# EAGLE board Mk4 Final a Panel score (EAGLE 9.0.1), part 23 of 24
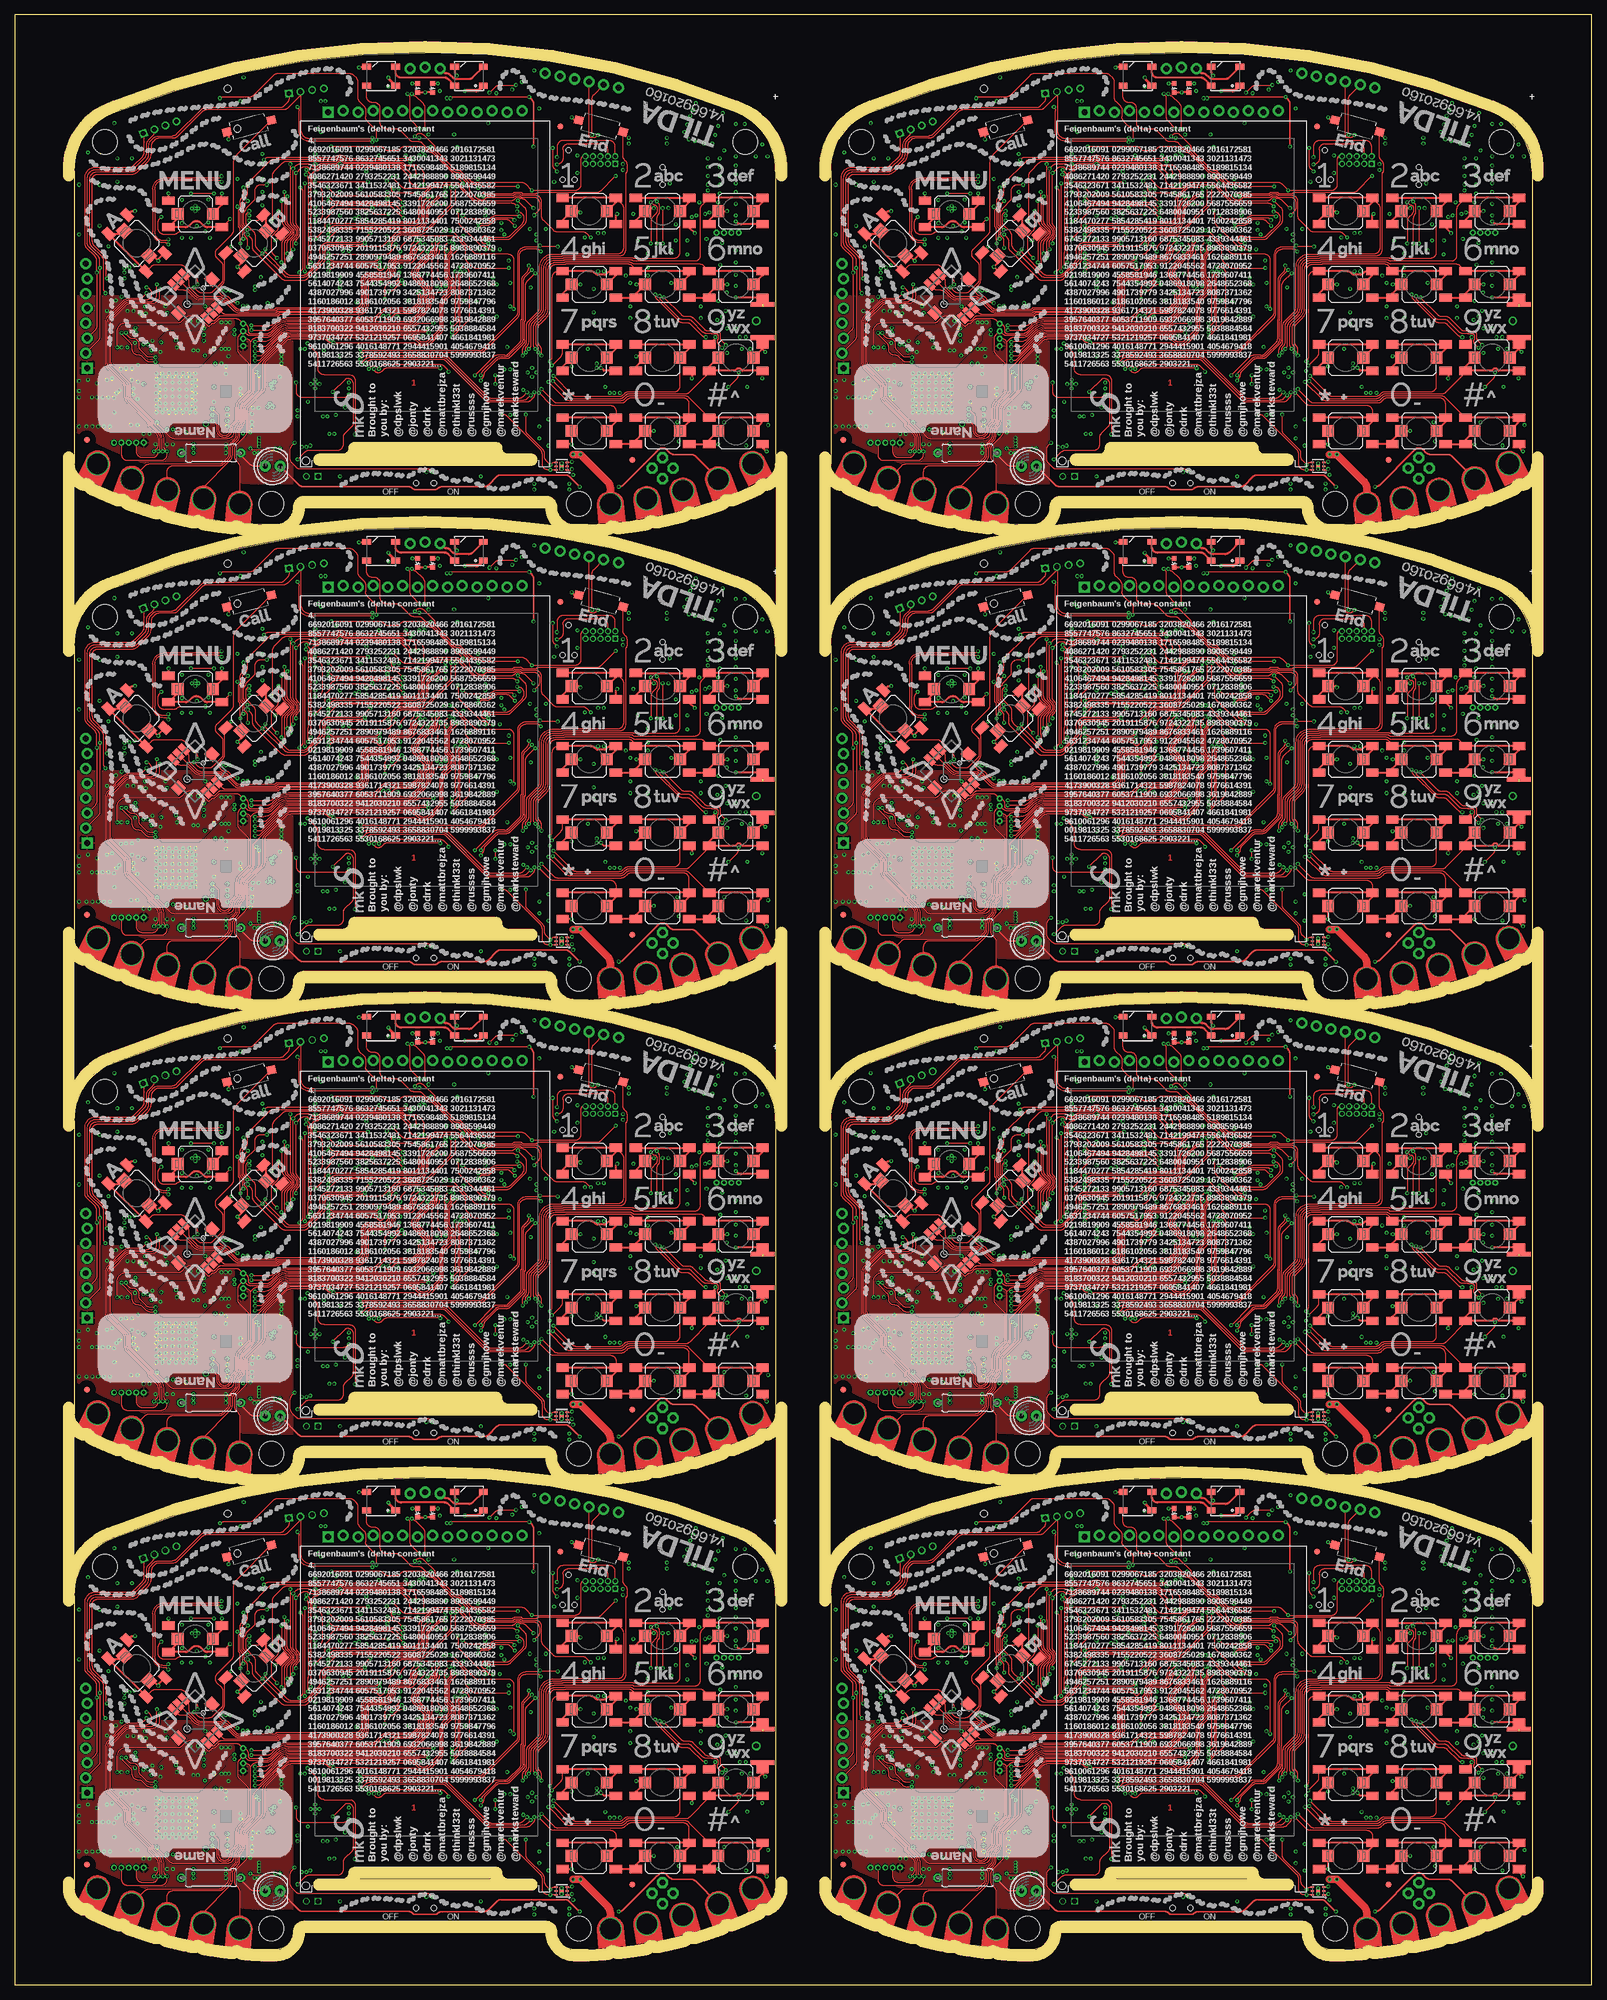
[diagram p0: board, top side]
## Tracks (layer width: path | path; a pad name or v marks a point on that pad's centre or on a via) (continued)
VBATT6  (via drill 0.3) (continued)
  pour 3V3@2 (no thermals): 102,274.5 104.5,274.5 105.5,273.5 105.5,272 105,271.5 95.5,271.5 93.5,269.5 52,269.5 50.8,268.4 50.8,262.6 50.3,262 49,262 48.75,262.25 48.75,269.5 50.25,271 92,271 94.5,273.5 101,273.5
  pour Bottom (no thermals): 42.2,262.9 42.2,262.8 42.75,262.8 43.1,262.45 43.1,262.05 arc90 43.6,261.55 44.8,261.55 44.8,262.5 44.15,262.5 43.8,262.85 43,262.85 42.95,262.9
VBATT7  (via drill 0.3)
  Top 0.15: v169.2,262 arc45 169.68,261.8 173.3,261.8 v173.5,262
  Top 0.5: LED44.1 208.34,323.29 arc-45 207.64,323 v205.75,323 | LED43.1 192.75,325.1 v192.75,325.25
  3V3@2 0.5: 198.25,325.25 203.5,325.25 v205.75,323
  3V3@2 1: JP65.2 199,326 198.25,325.25 v192.75,325.25 174.5,325.25 171.5,322.25 171.5,315 170,313.5 v170,289.65 v170,289.05 | v174.25,262 v173.5,262 173.5,267.41 174.2,268.11 174.2,269.55 171.62,272.12 171.62,273.62 172.5,274.5 v172.5,286.3 172.5,286.5 v172.15,286.85
  Bottom 0.25: IC141.1 169.96,262.35 arc45 169.26,262.06 v169.2,262
  Bottom 0.4: TP148.TP v179.4,262.5
  Bottom 0.5: C759.1 193.62,325.25 v192.75,325.25
  Bottom 1: v170,289.65 v170,289.05 170,289 v172.15,286.85 172.5,286.5 v172.5,286.3
  other vias: 178.75,262.25 178,262.25 232.25,271.5 229.75,272.5 231.25,271.5 230.5,271.5
  pour Bottom (no thermals): 178.35,263.4 179.8,263.4 179.8,262.05 arc-90 179.3,261.55 173.65,261.55 173.65,262.5 177.85,262.5 arc90 178.35,263
  pour Bottom (no thermals): 232.09,271.25 230.25,271.25 arc-90 229.25,272.25 229.25,273 arc-90 230.25,274 240,274 arc90 241,275 241,278.25 arc-90 242,279.25 242.25,279.25 242.5,279.5 242.5,282 244,282 244,279.8 arc-90 243,278.8 242.75,278.8 arc90 241.75,277.8 241.75,273 arc-90 240.75,272 233.66,272 arc45 232.96,271.71 232.79,271.54 arc-45
  pour 3V3@2 (no thermals): 231,274.5 233.5,274.5 234.5,273.5 234.5,272 234,271.5 224.5,271.5 222.5,269.5 181,269.5 179.8,268.4 179.8,262.6 179.3,262 178,262 177.75,262.25 177.75,269.5 179.25,271 221,271 223.5,273.5 230,273.5
  pour Bottom (no thermals): 171.2,262.9 171.2,262.8 171.75,262.8 172.1,262.45 172.1,262.05 arc90 172.6,261.55 173.8,261.55 173.8,262.5 173.15,262.5 172.8,262.85 172,262.85 171.95,262.9
VBUS  (via drill 0.3)
  Top 0.2: v87.75,78.95 74.55,78.95 v74.35,78.75
  Top 0.22: v88.5,70.5 88.5,77.79 arc45 88.21,78.49 v87.75,78.95
  3V3@2 0.2: v55.5,34.75 50.75,34.75 v49.5,36
  3V3@2 0.75: 49,36 49,37.5 52.25,40.75 v52.25,73 v51.75,73.5 | v49.5,36 49,36 | 49,36 v48.75,36 | v52.25,78.25 73.25,78.25 v73.75,78.75 v74.35,78.75
  Bottom 0.15: v87.75,78.95 87.7,79 IC7.5
  Bottom 0.2: LED6.A v55.5,34.75
  Bottom 0.22: IC1.96 76.2,67.5 arc-90 77.2,68.5 87.5,68.5 arc90 88.5,69.5 v88.5,70.5
  Bottom 0.5: TP7.TP v73.75,78.75
  Bottom 0.75: L2.2 v73.75,78.75 | v52.25,73 51.79,73.46 arc-45 51.5,74.16 51.5,77.09 arc-45 51.79,77.79 v52.25,78.25 v53,78.25
  pour Bottom (no thermals): 50.05,31.7 50.05,35.95 49.65,36.35 48.65,36.35 48.25,35.95 48.25,31.8 48.85,31.2 49.6,31.2 49.6,31.7
VBUS1  (via drill 0.3)
  Top 0.2: v216.75,78.95 203.55,78.95 v203.35,78.75
  Top 0.22: v217.5,70.5 217.5,77.79 arc45 217.21,78.49 v216.75,78.95
  3V3@2 0.2: v184.5,34.75 179.75,34.75 v178.5,36
  3V3@2 0.75: 178,36 178,37.5 181.25,40.75 v181.25,73 v180.75,73.5 | v178.5,36 178,36 | 178,36 v177.75,36 | v181.25,78.25 202.25,78.25 v202.75,78.75 v203.35,78.75
  Bottom 0.15: v216.75,78.95 216.7,79 IC23.5
  Bottom 0.2: LED12.A v184.5,34.75
  Bottom 0.22: IC20.96 205.2,67.5 arc-90 206.2,68.5 216.5,68.5 arc90 217.5,69.5 v217.5,70.5
  Bottom 0.5: TP26.TP v202.75,78.75
  Bottom 0.75: L10.2 v202.75,78.75 | v181.25,73 180.79,73.46 arc-45 180.5,74.16 180.5,77.09 arc-45 180.79,77.79 v181.25,78.25 v182,78.25
  pour Bottom (no thermals): 179.05,31.7 179.05,35.95 178.65,36.35 177.65,36.35 177.25,35.95 177.25,31.8 177.85,31.2 178.6,31.2 178.6,31.7
VBUS2  (via drill 0.3)
  Top 0.2: v87.75,159.95 74.55,159.95 v74.35,159.75
  Top 0.22: v88.5,151.5 88.5,158.79 arc45 88.21,159.49 v87.75,159.95
  3V3@2 0.2: v55.5,115.75 50.75,115.75 v49.5,117
  3V3@2 0.75: 49,117 49,118.5 52.25,121.75 v52.25,154 v51.75,154.5 | v49.5,117 49,117 | 49,117 v48.75,117 | v52.25,159.25 73.25,159.25 v73.75,159.75 v74.35,159.75
  Bottom 0.15: v87.75,159.95 87.7,160 IC41.5
  Bottom 0.2: LED18.A v55.5,115.75
  Bottom 0.22: IC38.96 76.2,148.5 arc-90 77.2,149.5 87.5,149.5 arc90 88.5,150.5 v88.5,151.5
  Bottom 0.5: TP45.TP v73.75,159.75
  Bottom 0.75: L19.2 v73.75,159.75 | v52.25,154 51.79,154.46 arc-45 51.5,155.16 51.5,158.09 arc-45 51.79,158.79 v52.25,159.25 v53,159.25
  pour Bottom (no thermals): 50.05,112.7 50.05,116.95 49.65,117.35 48.65,117.35 48.25,116.95 48.25,112.8 48.85,112.2 49.6,112.2 49.6,112.7
VBUS3  (via drill 0.3)
  Top 0.2: v216.75,159.95 203.55,159.95 v203.35,159.75
  Top 0.22: v217.5,151.5 217.5,158.79 arc45 217.21,159.49 v216.75,159.95
  3V3@2 0.2: v184.5,115.75 179.75,115.75 v178.5,117
  3V3@2 0.75: 178,117 178,118.5 181.25,121.75 v181.25,154 v180.75,154.5 | v178.5,117 178,117 | 178,117 v177.75,117 | v181.25,159.25 202.25,159.25 v202.75,159.75 v203.35,159.75
  Bottom 0.15: v216.75,159.95 216.7,160 IC59.5
  Bottom 0.2: LED24.A v184.5,115.75
  Bottom 0.22: IC56.96 205.2,148.5 arc-90 206.2,149.5 216.5,149.5 arc90 217.5,150.5 v217.5,151.5
  Bottom 0.5: TP64.TP v202.75,159.75
  Bottom 0.75: L28.2 v202.75,159.75 | v181.25,154 180.79,154.46 arc-45 180.5,155.16 180.5,158.09 arc-45 180.79,158.79 v181.25,159.25 v182,159.25
  pour Bottom (no thermals): 179.05,112.7 179.05,116.95 178.65,117.35 177.65,117.35 177.25,116.95 177.25,112.8 177.85,112.2 178.6,112.2 178.6,112.7
VBUS4  (via drill 0.3)
  Top 0.2: v87.75,240.95 74.55,240.95 v74.35,240.75
  Top 0.22: v88.5,232.5 88.5,239.79 arc45 88.21,240.49 v87.75,240.95
  3V3@2 0.2: v55.5,196.75 50.75,196.75 v49.5,198
  3V3@2 0.75: 49,198 49,199.5 52.25,202.75 v52.25,235 v51.75,235.5 | v49.5,198 49,198 | 49,198 v48.75,198 | v52.25,240.25 73.25,240.25 v73.75,240.75 v74.35,240.75
  Bottom 0.15: v87.75,240.95 87.7,241 IC77.5
  Bottom 0.2: LED30.A v55.5,196.75
  Bottom 0.22: IC74.96 76.2,229.5 arc-90 77.2,230.5 87.5,230.5 arc90 88.5,231.5 v88.5,232.5
  Bottom 0.5: TP83.TP v73.75,240.75
  Bottom 0.75: L37.2 v73.75,240.75 | v52.25,235 51.79,235.46 arc-45 51.5,236.16 51.5,239.09 arc-45 51.79,239.79 v52.25,240.25 v53,240.25
  pour Bottom (no thermals): 50.05,193.7 50.05,197.95 49.65,198.35 48.65,198.35 48.25,197.95 48.25,193.8 48.85,193.2 49.6,193.2 49.6,193.7
VBUS5  (via drill 0.3)
  Top 0.2: v216.75,240.95 203.55,240.95 v203.35,240.75
  Top 0.22: v217.5,232.5 217.5,239.79 arc45 217.21,240.49 v216.75,240.95
  3V3@2 0.2: v184.5,196.75 179.75,196.75 v178.5,198
  3V3@2 0.75: 178,198 178,199.5 181.25,202.75 v181.25,235 v180.75,235.5 | v178.5,198 178,198 | 178,198 v177.75,198 | v181.25,240.25 202.25,240.25 v202.75,240.75 v203.35,240.75
  Bottom 0.15: v216.75,240.95 216.7,241 IC95.5
  Bottom 0.2: LED36.A v184.5,196.75
  Bottom 0.22: IC92.96 205.2,229.5 arc-90 206.2,230.5 216.5,230.5 arc90 217.5,231.5 v217.5,232.5
  Bottom 0.5: TP102.TP v202.75,240.75
  Bottom 0.75: L46.2 v202.75,240.75 | v181.25,235 180.79,235.46 arc-45 180.5,236.16 180.5,239.09 arc-45 180.79,239.79 v181.25,240.25 v182,240.25
  pour Bottom (no thermals): 179.05,193.7 179.05,197.95 178.65,198.35 177.65,198.35 177.25,197.95 177.25,193.8 177.85,193.2 178.6,193.2 178.6,193.7
VBUS6  (via drill 0.3)
  Top 0.2: v87.75,321.95 74.55,321.95 v74.35,321.75
  Top 0.22: v88.5,313.5 88.5,320.79 arc45 88.21,321.49 v87.75,321.95
  3V3@2 0.2: v55.5,277.75 50.75,277.75 v49.5,279
  3V3@2 0.75: 49,279 49,280.5 52.25,283.75 v52.25,316 v51.75,316.5 | v49.5,279 49,279 | 49,279 v48.75,279 | v52.25,321.25 73.25,321.25 v73.75,321.75 v74.35,321.75
  Bottom 0.15: v87.75,321.95 87.7,322 IC113.5
  Bottom 0.2: LED42.A v55.5,277.75
  Bottom 0.22: IC110.96 76.2,310.5 arc-90 77.2,311.5 87.5,311.5 arc90 88.5,312.5 v88.5,313.5
  Bottom 0.5: TP121.TP v73.75,321.75
  Bottom 0.75: L55.2 v73.75,321.75 | v52.25,316 51.79,316.46 arc-45 51.5,317.16 51.5,320.09 arc-45 51.79,320.79 v52.25,321.25 v53,321.25
  pour Bottom (no thermals): 50.05,274.7 50.05,278.95 49.65,279.35 48.65,279.35 48.25,278.95 48.25,274.8 48.85,274.2 49.6,274.2 49.6,274.7
VBUS7  (via drill 0.3)
  Top 0.2: v216.75,321.95 203.55,321.95 v203.35,321.75
  Top 0.22: v217.5,313.5 217.5,320.79 arc45 217.21,321.49 v216.75,321.95
  3V3@2 0.2: v184.5,277.75 179.75,277.75 v178.5,279
  3V3@2 0.75: 178,279 178,280.5 181.25,283.75 v181.25,316 v180.75,316.5 | v178.5,279 178,279 | 178,279 v177.75,279 | v181.25,321.25 202.25,321.25 v202.75,321.75 v203.35,321.75
  Bottom 0.15: v216.75,321.95 216.7,322 IC131.5
  Bottom 0.2: LED48.A v184.5,277.75
  Bottom 0.22: IC128.96 205.2,310.5 arc-90 206.2,311.5 216.5,311.5 arc90 217.5,312.5 v217.5,313.5
  Bottom 0.5: TP140.TP v202.75,321.75
  Bottom 0.75: L64.2 v202.75,321.75 | v181.25,316 180.79,316.46 arc-45 180.5,317.16 180.5,320.09 arc-45 180.79,320.79 v181.25,321.25 v182,321.25
  pour Bottom (no thermals): 179.05,274.7 179.05,278.95 178.65,279.35 177.65,279.35 177.25,278.95 177.25,274.8 177.85,274.2 178.6,274.2 178.6,274.7
VBUS_L
  Bottom 0.4: U1.VBUS arc-47 L2.1
VBUS_L1
  Bottom 0.4: U2.VBUS arc-47 L10.1
VBUS_L2
  Bottom 0.4: U7.VBUS arc-47 L19.1
VBUS_L3
  Bottom 0.4: U10.VBUS arc-47 L28.1
VBUS_L4
  Bottom 0.4: U13.VBUS arc-47 L37.1
VBUS_L5
  Bottom 0.4: U16.VBUS arc-47 L46.1
VBUS_L6
  Bottom 0.4: U19.VBUS arc-47 L55.1
VBUS_L7
  Bottom 0.4: U22.VBUS arc-47 L64.1
VDD_ANA  (via drill 0.3)
  Bottom 0.2: IC15.48 32.55,32.95
  Bottom 0.25: C44.1 24.1,35.4 24.96,34.54 arc-45 25.25,33.84 IC15.36 | IC15.25 22.91,28.75 arc-45 22.21,29.04 C62.1 v22,30
  Bottom 0.4: 32.55,32.95 arc45 33.03,32.75 C61.1 v34.25,33.5 | C44.1 v23.35,35.75
  Bottom 0.5: C63.1 21.45,39.6 v20.6,39.6 | C63.1 21.5,38.85 v20.6,38.85 | C63.1 L7.1
  pour 3V3@2 (rank 2, no thermals): 34.75,33.75 34.75,33 34.25,32.5 32.5,32.5 31.75,33.5 24.5,33.5 22.5,31.5 22.5,30 22,29.5 21.75,29.5 21.5,29.75 21.5,30.5 21.75,30.75 21.75,33.5 21.25,34 20.5,34 20,34.5 20,38.3 19.7,38.6 19.7,39.5 20.2,40 20.8,40 21.25,39.55 21.25,36.25 21.5,36 23,36 23.25,36.25 25.65,36.25 27.65,34.25 34.25,34.25
VDD_ANA1  (via drill 0.3)
  Bottom 0.2: IC29.48 161.55,32.95
  Bottom 0.25: C190.1 153.1,35.4 153.96,34.54 arc-45 154.25,33.84 IC29.36 | IC29.25 151.91,28.75 arc-45 151.21,29.04 C188.1 v151,30
  Bottom 0.4: 161.55,32.95 arc45 162.03,32.75 C191.1 v163.25,33.5 | C190.1 v152.35,35.75
  Bottom 0.5: C189.1 150.45,39.6 v149.6,39.6 | C189.1 150.5,38.85 v149.6,38.85 | C189.1 L16.1
  pour 3V3@2 (rank 2, no thermals): 163.75,33.75 163.75,33 163.25,32.5 161.5,32.5 160.75,33.5 153.5,33.5 151.5,31.5 151.5,30 151,29.5 150.75,29.5 150.5,29.75 150.5,30.5 150.75,30.75 150.75,33.5 150.25,34 149.5,34 149,34.5 149,38.3 148.7,38.6 148.7,39.5 149.2,40 149.8,40 150.25,39.55 150.25,36.25 150.5,36 152,36 152.25,36.25 154.65,36.25 156.65,34.25 163.25,34.25
VDD_ANA2  (via drill 0.3)
  Bottom 0.2: IC47.48 32.55,113.95
  Bottom 0.25: C298.1 24.1,116.4 24.96,115.54 arc-45 25.25,114.84 IC47.36 | IC47.25 22.91,109.75 arc-45 22.21,110.04 C296.1 v22,111
  Bottom 0.4: 32.55,113.95 arc45 33.03,113.75 C299.1 v34.25,114.5 | C298.1 v23.35,116.75
  Bottom 0.5: C297.1 21.45,120.6 v20.6,120.6 | C297.1 21.5,119.85 v20.6,119.85 | C297.1 L25.1
  pour 3V3@2 (rank 2, no thermals): 34.75,114.75 34.75,114 34.25,113.5 32.5,113.5 31.75,114.5 24.5,114.5 22.5,112.5 22.5,111 22,110.5 21.75,110.5 21.5,110.75 21.5,111.5 21.75,111.75 21.75,114.5 21.25,115 20.5,115 20,115.5 20,119.3 19.7,119.6 19.7,120.5 20.2,121 20.8,121 21.25,120.55 21.25,117.25 21.5,117 23,117 23.25,117.25 25.65,117.25 27.65,115.25 34.25,115.25
VDD_ANA3  (via drill 0.3)
  Bottom 0.2: IC65.48 161.55,113.95
  Bottom 0.25: C406.1 153.1,116.4 153.96,115.54 arc-45 154.25,114.84 IC65.36 | IC65.25 151.91,109.75 arc-45 151.21,110.04 C404.1 v151,111
  Bottom 0.4: 161.55,113.95 arc45 162.03,113.75 C407.1 v163.25,114.5 | C406.1 v152.35,116.75
  Bottom 0.5: C405.1 150.45,120.6 v149.6,120.6 | C405.1 150.5,119.85 v149.6,119.85 | C405.1 L34.1
  pour 3V3@2 (rank 2, no thermals): 163.75,114.75 163.75,114 163.25,113.5 161.5,113.5 160.75,114.5 153.5,114.5 151.5,112.5 151.5,111 151,110.5 150.75,110.5 150.5,110.75 150.5,111.5 150.75,111.75 150.75,114.5 150.25,115 149.5,115 149,115.5 149,119.3 148.7,119.6 148.7,120.5 149.2,121 149.8,121 150.25,120.55 150.25,117.25 150.5,117 152,117 152.25,117.25 154.65,117.25 156.65,115.25 163.25,115.25
VDD_ANA4  (via drill 0.3)
  Bottom 0.2: IC83.48 32.55,194.95
  Bottom 0.25: C514.1 24.1,197.4 24.96,196.54 arc-45 25.25,195.84 IC83.36 | IC83.25 22.91,190.75 arc-45 22.21,191.04 C512.1 v22,192
  Bottom 0.4: 32.55,194.95 arc45 33.03,194.75 C515.1 v34.25,195.5 | C514.1 v23.35,197.75
  Bottom 0.5: C513.1 21.45,201.6 v20.6,201.6 | C513.1 21.5,200.85 v20.6,200.85 | C513.1 L43.1
  pour 3V3@2 (rank 2, no thermals): 34.75,195.75 34.75,195 34.25,194.5 32.5,194.5 31.75,195.5 24.5,195.5 22.5,193.5 22.5,192 22,191.5 21.75,191.5 21.5,191.75 21.5,192.5 21.75,192.75 21.75,195.5 21.25,196 20.5,196 20,196.5 20,200.3 19.7,200.6 19.7,201.5 20.2,202 20.8,202 21.25,201.55 21.25,198.25 21.5,198 23,198 23.25,198.25 25.65,198.25 27.65,196.25 34.25,196.25
VDD_ANA5  (via drill 0.3)
  Bottom 0.2: IC101.48 161.55,194.95
  Bottom 0.25: C622.1 153.1,197.4 153.96,196.54 arc-45 154.25,195.84 IC101.36 | IC101.25 151.91,190.75 arc-45 151.21,191.04 C620.1 v151,192
  Bottom 0.4: 161.55,194.95 arc45 162.03,194.75 C623.1 v163.25,195.5 | C622.1 v152.35,197.75
  Bottom 0.5: C621.1 150.45,201.6 v149.6,201.6 | C621.1 150.5,200.85 v149.6,200.85 | C621.1 L52.1
  pour 3V3@2 (rank 2, no thermals): 163.75,195.75 163.75,195 163.25,194.5 161.5,194.5 160.75,195.5 153.5,195.5 151.5,193.5 151.5,192 151,191.5 150.75,191.5 150.5,191.75 150.5,192.5 150.75,192.75 150.75,195.5 150.25,196 149.5,196 149,196.5 149,200.3 148.7,200.6 148.7,201.5 149.2,202 149.8,202 150.25,201.55 150.25,198.25 150.5,198 152,198 152.25,198.25 154.65,198.25 156.65,196.25 163.25,196.25
VDD_ANA6  (via drill 0.3)
  Bottom 0.2: IC119.48 32.55,275.95
  Bottom 0.25: C730.1 24.1,278.4 24.96,277.54 arc-45 25.25,276.84 IC119.36 | IC119.25 22.91,271.75 arc-45 22.21,272.04 C728.1 v22,273
  Bottom 0.4: 32.55,275.95 arc45 33.03,275.75 C731.1 v34.25,276.5 | C730.1 v23.35,278.75
  Bottom 0.5: C729.1 21.45,282.6 v20.6,282.6 | C729.1 21.5,281.85 v20.6,281.85 | C729.1 L61.1
  pour 3V3@2 (rank 2, no thermals): 34.75,276.75 34.75,276 34.25,275.5 32.5,275.5 31.75,276.5 24.5,276.5 22.5,274.5 22.5,273 22,272.5 21.75,272.5 21.5,272.75 21.5,273.5 21.75,273.75 21.75,276.5 21.25,277 20.5,277 20,277.5 20,281.3 19.7,281.6 19.7,282.5 20.2,283 20.8,283 21.25,282.55 21.25,279.25 21.5,279 23,279 23.25,279.25 25.65,279.25 27.65,277.25 34.25,277.25
VDD_ANA7  (via drill 0.3)
  Bottom 0.2: IC137.48 161.55,275.95
  Bottom 0.25: C838.1 153.1,278.4 153.96,277.54 arc-45 154.25,276.84 IC137.36 | IC137.25 151.91,271.75 arc-45 151.21,272.04 C836.1 v151,273
  Bottom 0.4: 161.55,275.95 arc45 162.03,275.75 C839.1 v163.25,276.5 | C838.1 v152.35,278.75
  Bottom 0.5: C837.1 150.45,282.6 v149.6,282.6 | C837.1 150.5,281.85 v149.6,281.85 | C837.1 L70.1
  pour 3V3@2 (rank 2, no thermals): 163.75,276.75 163.75,276 163.25,275.5 161.5,275.5 160.75,276.5 153.5,276.5 151.5,274.5 151.5,273 151,272.5 150.75,272.5 150.5,272.75 150.5,273.5 150.75,273.75 150.75,276.5 150.25,277 149.5,277 149,277.5 149,281.3 148.7,281.6 148.7,282.5 149.2,283 149.8,283 150.25,282.55 150.25,279.25 150.5,279 152,279 152.25,279.25 154.65,279.25 156.65,277.25 163.25,277.25
VDD_DIG_CC  (via drill 0.3)
  3V3@2 0.5: v27,22.25 27,23 27.5,23.5 31.5,23.5 32.75,24.75 v33.75,24.75
  3V3@2 1: v33.75,24.75 34.25,24.75 35.3,25.8 35.3,26.6 35.8,27.1 37.17,27.1 37.55,27.48 37.55,31.45 37.5,31.5 v37.5,38.5 v37.5,39.25
  Bottom 0.25: C96.1 v33.75,24.75 33.23,25.27 arc-45 33.17,25.41 33.17,25.86 arc45 33.12,26 33.06,26.06 arc-45 33,26.2 33,27.75 arc90 32,28.75 IC15.56 | IC15.9 27.25,22.85 arc-45 v27,22.25 C97.1
  Bottom 0.4: C87.1 36.25,39 36.05,39.2 34.1,39.2 L9.1 | v37.5,39.25 36.6,39.25 C87.1 | v37.5,38.5 36.65,38.5 C87.1
VDD_DIG_CC1  (via drill 0.3)
  3V3@2 0.5: v156,22.25 156,23 156.5,23.5 160.5,23.5 161.75,24.75 v162.75,24.75
  3V3@2 1: v162.75,24.75 163.25,24.75 164.3,25.8 164.3,26.6 164.8,27.1 166.17,27.1 166.55,27.48 166.55,31.45 166.5,31.5 v166.5,38.5 v166.5,39.25
  Bottom 0.25: C204.1 v162.75,24.75 162.23,25.27 arc-45 162.18,25.41 162.18,25.86 arc45 162.12,26 162.06,26.06 arc-45 162,26.2 162,27.75 arc90 161,28.75 IC29.56 | IC29.9 156.25,22.85 arc-45 v156,22.25 C205.1
  Bottom 0.4: C195.1 165.25,39 165.05,39.2 163.1,39.2 L18.1 | v166.5,39.25 165.6,39.25 C195.1 | v166.5,38.5 165.65,38.5 C195.1
VDD_DIG_CC2  (via drill 0.3)
  3V3@2 0.5: v27,103.25 27,104 27.5,104.5 31.5,104.5 32.75,105.75 v33.75,105.75
  3V3@2 1: v33.75,105.75 34.25,105.75 35.3,106.8 35.3,107.6 35.8,108.1 37.17,108.1 37.55,108.48 37.55,112.45 37.5,112.5 v37.5,119.5 v37.5,120.25
  Bottom 0.25: C312.1 v33.75,105.75 33.23,106.27 arc-45 33.17,106.41 33.17,106.86 arc45 33.12,107 33.06,107.06 arc-45 33,107.2 33,108.75 arc90 32,109.75 IC47.56 | IC47.9 27.25,103.85 arc-45 v27,103.25 C313.1
  Bottom 0.4: C303.1 36.25,120 36.05,120.2 34.1,120.2 L27.1 | v37.5,120.25 36.6,120.25 C303.1 | v37.5,119.5 36.65,119.5 C303.1
VDD_DIG_CC3  (via drill 0.3)
  3V3@2 0.5: v156,103.25 156,104 156.5,104.5 160.5,104.5 161.75,105.75 v162.75,105.75
  3V3@2 1: v162.75,105.75 163.25,105.75 164.3,106.8 164.3,107.6 164.8,108.1 166.17,108.1 166.55,108.48 166.55,112.45 166.5,112.5 v166.5,119.5 v166.5,120.25
  Bottom 0.25: C420.1 v162.75,105.75 162.23,106.27 arc-45 162.18,106.41 162.18,106.86 arc45 162.12,107 162.06,107.06 arc-45 162,107.2 162,108.75 arc90 161,109.75 IC65.56 | IC65.9 156.25,103.85 arc-45 v156,103.25 C421.1
  Bottom 0.4: C411.1 165.25,120 165.05,120.2 163.1,120.2 L36.1 | v166.5,120.25 165.6,120.25 C411.1 | v166.5,119.5 165.65,119.5 C411.1
VDD_DIG_CC4  (via drill 0.3)
  3V3@2 0.5: v27,184.25 27,185 27.5,185.5 31.5,185.5 32.75,186.75 v33.75,186.75
  3V3@2 1: v33.75,186.75 34.25,186.75 35.3,187.8 35.3,188.6 35.8,189.1 37.17,189.1 37.55,189.48 37.55,193.45 37.5,193.5 v37.5,200.5 v37.5,201.25
  Bottom 0.25: C528.1 v33.75,186.75 33.23,187.27 arc-45 33.17,187.41 33.17,187.86 arc45 33.12,188 33.06,188.06 arc-45 33,188.2 33,189.75 arc90 32,190.75 IC83.56 | IC83.9 27.25,184.85 arc-45 v27,184.25 C529.1
  Bottom 0.4: C519.1 36.25,201 36.05,201.2 34.1,201.2 L45.1 | v37.5,201.25 36.6,201.25 C519.1 | v37.5,200.5 36.65,200.5 C519.1
VDD_DIG_CC5  (via drill 0.3)
  3V3@2 0.5: v156,184.25 156,185 156.5,185.5 160.5,185.5 161.75,186.75 v162.75,186.75
  3V3@2 1: v162.75,186.75 163.25,186.75 164.3,187.8 164.3,188.6 164.8,189.1 166.17,189.1 166.55,189.48 166.55,193.45 166.5,193.5 v166.5,200.5 v166.5,201.25
  Bottom 0.25: C636.1 v162.75,186.75 162.23,187.27 arc-45 162.18,187.41 162.18,187.86 arc45 162.12,188 162.06,188.06 arc-45 162,188.2 162,189.75 arc90 161,190.75 IC101.56 | IC101.9 156.25,184.85 arc-45 v156,184.25 C637.1
  Bottom 0.4: C627.1 165.25,201 165.05,201.2 163.1,201.2 L54.1 | v166.5,201.25 165.6,201.25 C627.1 | v166.5,200.5 165.65,200.5 C627.1
VDD_DIG_CC6  (via drill 0.3)
  3V3@2 0.5: v27,265.25 27,266 27.5,266.5 31.5,266.5 32.75,267.75 v33.75,267.75
  3V3@2 1: v33.75,267.75 34.25,267.75 35.3,268.8 35.3,269.6 35.8,270.1 37.17,270.1 37.55,270.48 37.55,274.45 37.5,274.5 v37.5,281.5 v37.5,282.25
  Bottom 0.25: C744.1 v33.75,267.75 33.23,268.27 arc-45 33.17,268.41 33.17,268.86 arc45 33.12,269 33.06,269.06 arc-45 33,269.2 33,270.75 arc90 32,271.75 IC119.56 | IC119.9 27.25,265.85 arc-45 v27,265.25 C745.1
  Bottom 0.4: C735.1 36.25,282 36.05,282.2 34.1,282.2 L63.1 | v37.5,282.25 36.6,282.25 C735.1 | v37.5,281.5 36.65,281.5 C735.1
VDD_DIG_CC7  (via drill 0.3)
  3V3@2 0.5: v156,265.25 156,266 156.5,266.5 160.5,266.5 161.75,267.75 v162.75,267.75
  3V3@2 1: v162.75,267.75 163.25,267.75 164.3,268.8 164.3,269.6 164.8,270.1 166.17,270.1 166.55,270.48 166.55,274.45 166.5,274.5 v166.5,281.5 v166.5,282.25
  Bottom 0.25: C852.1 v162.75,267.75 162.23,268.27 arc-45 162.18,268.41 162.18,268.86 arc45 162.12,269 162.06,269.06 arc-45 162,269.2 162,270.75 arc90 161,271.75 IC137.56 | IC137.9 156.25,265.85 arc-45 v156,265.25 C853.1
  Bottom 0.4: C843.1 165.25,282 165.05,282.2 163.1,282.2 L72.1 | v166.5,282.25 165.6,282.25 C843.1 | v166.5,281.5 165.65,281.5 C843.1
VDD_EXT
  Bottom 0.2: R29.1 116,38.5 arc90 115,39.5 109.3,39.5 arc90 108.3,38.5 IC5.40
VDD_EXT1
  Bottom 0.2: R111.1 245,38.5 arc90 244,39.5 238.3,39.5 arc90 237.3,38.5 IC21.40
VDD_EXT2
  Bottom 0.2: R189.1 116,119.5 arc90 115,120.5 109.3,120.5 arc90 108.3,119.5 IC39.40
VDD_EXT3
  Bottom 0.2: R267.1 245,119.5 arc90 244,120.5 238.3,120.5 arc90 237.3,119.5 IC57.40
VDD_EXT4
  Bottom 0.2: R345.1 116,200.5 arc90 115,201.5 109.3,201.5 arc90 108.3,200.5 IC75.40
VDD_EXT5
  Bottom 0.2: R423.1 245,200.5 arc90 244,201.5 238.3,201.5 arc90 237.3,200.5 IC93.40
VDD_EXT6
  Bottom 0.2: R501.1 116,281.5 arc90 115,282.5 109.3,282.5 arc90 108.3,281.5 IC111.40
VDD_EXT7
  Bottom 0.2: R579.1 245,281.5 arc90 244,282.5 238.3,282.5 arc90 237.3,281.5 IC129.40
VDD_PA  (via drill 0.3)
  Bottom 0.25: IC15.42 28.25,34 arc-45 28.54,34.71 29.16,35.32 arc45 29.45,36.03 29.45,37.24 arc-45 29.6,37.6 29.88,37.88 C85.1 | IC15.33 23.65,33.05
  Bottom 0.4: C85.1 C84.1 | C84.1 31.77,38.4 v32.25,38.4 | C84.1 31.73,37.4 v32.25,37.4 | C86.1 22.96,35.17 arc-45 23.25,34.46 23.25,33.86 arc45 23.54,33.16 23.65,33.05 | 22.7,35.95 22.7,36.08 | C86.1 22.7,36.08 | 22.7,36.08 v22.7,36.75 | v21.95,36.75 21.95,36.59 arc45 22.24,35.88 C86.1
  pour 3V3@2 (no thermals): 23,37.5 23,36.5 22.75,36.25 21.75,36.25 21.5,36.5 21.5,38.5 23,40 28.5,40 29.5,39 32.25,39 32.75,38.5 32.75,37.5 32.25,37 29,37 28,38 23.5,38
VDD_PA1  (via drill 0.3)
  Bottom 0.25: IC29.42 157.25,34 arc-45 157.54,34.71 158.16,35.32 arc45 158.45,36.03 158.45,37.24 arc-45 158.6,37.6 158.88,37.88 C194.1 | IC29.33 152.65,33.05
  Bottom 0.4: C194.1 C193.1 | C193.1 160.78,38.4 v161.25,38.4 | C193.1 160.72,37.4 v161.25,37.4 | C192.1 151.96,35.17 arc-45 152.25,34.46 152.25,33.86 arc45 152.54,33.16 152.65,33.05 | 151.7,35.95 151.7,36.08 | C192.1 151.7,36.08 | 151.7,36.08 v151.7,36.75 | v150.95,36.75 150.95,36.59 arc45 151.24,35.88 C192.1
  pour 3V3@2 (no thermals): 152,37.5 152,36.5 151.75,36.25 150.75,36.25 150.5,36.5 150.5,38.5 152,40 157.5,40 158.5,39 161.25,39 161.75,38.5 161.75,37.5 161.25,37 158,37 157,38 152.5,38
VDD_PA2  (via drill 0.3)
  Bottom 0.25: IC47.42 28.25,115 arc-45 28.54,115.71 29.16,116.32 arc45 29.45,117.03 29.45,118.24 arc-45 29.6,118.6 29.88,118.88 C302.1 | IC47.33 23.65,114.05
  Bottom 0.4: C302.1 C301.1 | C301.1 31.77,119.4 v32.25,119.4 | C301.1 31.73,118.4 v32.25,118.4 | C300.1 22.96,116.17 arc-45 23.25,115.46 23.25,114.86 arc45 23.54,114.16 23.65,114.05 | 22.7,116.95 22.7,117.08 | C300.1 22.7,117.08 | 22.7,117.08 v22.7,117.75 | v21.95,117.75 21.95,117.59 arc45 22.24,116.88 C300.1
  pour 3V3@2 (no thermals): 23,118.5 23,117.5 22.75,117.25 21.75,117.25 21.5,117.5 21.5,119.5 23,121 28.5,121 29.5,120 32.25,120 32.75,119.5 32.75,118.5 32.25,118 29,118 28,119 23.5,119
VDD_PA3  (via drill 0.3)
  Bottom 0.25: IC65.42 157.25,115 arc-45 157.54,115.71 158.16,116.32 arc45 158.45,117.03 158.45,118.24 arc-45 158.6,118.6 158.88,118.88 C410.1 | IC65.33 152.65,114.05
  Bottom 0.4: C410.1 C409.1 | C409.1 160.78,119.4 v161.25,119.4 | C409.1 160.72,118.4 v161.25,118.4 | C408.1 151.96,116.17 arc-45 152.25,115.46 152.25,114.86 arc45 152.54,114.16 152.65,114.05 | 151.7,116.95 151.7,117.08 | C408.1 151.7,117.08 | 151.7,117.08 v151.7,117.75 | v150.95,117.75 150.95,117.59 arc45 151.24,116.88 C408.1
  pour 3V3@2 (no thermals): 152,118.5 152,117.5 151.75,117.25 150.75,117.25 150.5,117.5 150.5,119.5 152,121 157.5,121 158.5,120 161.25,120 161.75,119.5 161.75,118.5 161.25,118 158,118 157,119 152.5,119
VDD_PA4  (via drill 0.3)
  Bottom 0.25: IC83.42 28.25,196 arc-45 28.54,196.71 29.16,197.32 arc45 29.45,198.03 29.45,199.24 arc-45 29.6,199.6 29.88,199.88 C518.1 | IC83.33 23.65,195.05
  Bottom 0.4: C518.1 C517.1 | C517.1 31.77,200.4 v32.25,200.4 | C517.1 31.73,199.4 v32.25,199.4 | C516.1 22.96,197.17 arc-45 23.25,196.46 23.25,195.86 arc45 23.54,195.16 23.65,195.05 | 22.7,197.95 22.7,198.07 | C516.1 22.7,198.07 | 22.7,198.07 v22.7,198.75 | v21.95,198.75 21.95,198.59 arc45 22.24,197.88 C516.1
  pour 3V3@2 (no thermals): 23,199.5 23,198.5 22.75,198.25 21.75,198.25 21.5,198.5 21.5,200.5 23,202 28.5,202 29.5,201 32.25,201 32.75,200.5 32.75,199.5 32.25,199 29,199 28,200 23.5,200
VDD_PA5  (via drill 0.3)
  Bottom 0.25: IC101.42 157.25,196 arc-45 157.54,196.71 158.16,197.32 arc45 158.45,198.03 158.45,199.24 arc-45 158.6,199.6 158.88,199.88 C626.1 | IC101.33 152.65,195.05
  Bottom 0.4: C626.1 C625.1 | C625.1 160.78,200.4 v161.25,200.4 | C625.1 160.72,199.4 v161.25,199.4 | C624.1 151.96,197.17 arc-45 152.25,196.46 152.25,195.86 arc45 152.54,195.16 152.65,195.05 | 151.7,197.95 151.7,198.07 | C624.1 151.7,198.07 | 151.7,198.07 v151.7,198.75 | v150.95,198.75 150.95,198.59 arc45 151.24,197.88 C624.1
  pour 3V3@2 (no thermals): 152,199.5 152,198.5 151.75,198.25 150.75,198.25 150.5,198.5 150.5,200.5 152,202 157.5,202 158.5,201 161.25,201 161.75,200.5 161.75,199.5 161.25,199 158,199 157,200 152.5,200
VDD_PA6  (via drill 0.3)
  Bottom 0.25: IC119.42 28.25,277 arc-45 28.54,277.71 29.16,278.32 arc45 29.45,279.03 29.45,280.24 arc-45 29.6,280.6 29.88,280.88 C734.1 | IC119.33 23.65,276.05
  Bottom 0.4: C734.1 C733.1 | C733.1 31.77,281.4 v32.25,281.4 | C733.1 31.73,280.4 v32.25,280.4 | C732.1 22.96,278.17 arc-45 23.25,277.46 23.25,276.86 arc45 23.54,276.16 23.65,276.05 | 22.7,278.95 22.7,279.07 | C732.1 22.7,279.07 | 22.7,279.07 v22.7,279.75 | v21.95,279.75 21.95,279.59 arc45 22.24,278.88 C732.1
  pour 3V3@2 (no thermals): 23,280.5 23,279.5 22.75,279.25 21.75,279.25 21.5,279.5 21.5,281.5 23,283 28.5,283 29.5,282 32.25,282 32.75,281.5 32.75,280.5 32.25,280 29,280 28,281 23.5,281
VDD_PA7  (via drill 0.3)
  Bottom 0.25: IC137.42 157.25,277 arc-45 157.54,277.71 158.16,278.32 arc45 158.45,279.03 158.45,280.24 arc-45 158.6,280.6 158.88,280.88 C842.1 | IC137.33 152.65,276.05
  Bottom 0.4: C842.1 C841.1 | C841.1 160.78,281.4 v161.25,281.4 | C841.1 160.72,280.4 v161.25,280.4 | C840.1 151.96,278.17 arc-45 152.25,277.46 152.25,276.86 arc45 152.54,276.16 152.65,276.05 | 151.7,278.95 151.7,279.07 | C840.1 151.7,279.07 | 151.7,279.07 v151.7,279.75 | v150.95,279.75 150.95,279.59 arc45 151.24,278.88 C840.1
  pour 3V3@2 (no thermals): 152,280.5 152,279.5 151.75,279.25 150.75,279.25 150.5,279.5 150.5,281.5 152,283 157.5,283 158.5,282 161.25,282 161.75,281.5 161.75,280.5 161.25,280 158,280 157,281 152.5,281
VDD_PLL
  Bottom 0.25: IC15.24 C94.1
VDD_PLL1
  Bottom 0.25: IC29.24 C202.1
VDD_PLL2
  Bottom 0.25: IC47.24 C310.1
VDD_PLL3
  Bottom 0.25: IC65.24 C418.1
VDD_PLL4
  Bottom 0.25: IC83.24 C526.1
VDD_PLL5
  Bottom 0.25: IC101.24 C634.1
VDD_PLL6
  Bottom 0.25: IC119.24 C742.1
VDD_PLL7
  Bottom 0.25: IC137.24 C850.1
VDD_RAM
  Bottom 0.2: IC15.49 33.34,32.25 arc-45 34.04,31.96 C95.1
VDD_RAM1
  Bottom 0.2: IC29.49 162.34,32.25 arc-45 163.04,31.96 C203.1
VDD_RAM2
  Bottom 0.2: IC47.49 33.34,113.25 arc-45 34.04,112.96 C311.1
VDD_RAM3
  Bottom 0.2: IC65.49 162.34,113.25 arc-45 163.04,112.96 C419.1
VDD_RAM4
  Bottom 0.2: IC83.49 33.34,194.25 arc-45 34.04,193.96 C527.1
VDD_RAM5
  Bottom 0.2: IC101.49 162.34,194.25 arc-45 163.04,193.96 C635.1
VDD_RAM6
  Bottom 0.2: IC119.49 33.34,275.25 arc-45 34.04,274.96 C743.1
VDD_RAM7
  Bottom 0.2: IC137.49 162.34,275.25 arc-45 163.04,274.96 C851.1
VDDC
  Bottom 0.2: 76.8,58 IC1.115 78.6,58 | 72.6,65.8 IC1.87 72.6,67.6
  Bottom 0.25: 76.8,58 75.6,58 arc-90 72.6,61 72.6,65.8 | 72.6,67.6 72.6,67.65 C8.2 | 78.6,58 79.62,58 C6.2 C7.2
VDDC1
  Bottom 0.2: 205.8,58 IC20.115 207.6,58 | 201.6,65.8 IC20.87 201.6,67.6
  Bottom 0.25: 205.8,58 204.6,58 arc-90 201.6,61 201.6,65.8 | 201.6,67.6 201.6,67.65 C118.2 | 207.6,58 208.62,58 C116.2 C117.2
VDDC2
  Bottom 0.2: 76.8,139 IC38.115 78.6,139 | 72.6,146.8 IC38.87 72.6,148.6
  Bottom 0.25: 76.8,139 75.6,139 arc-90 72.6,142 72.6,146.8 | 72.6,148.6 72.6,148.65 C226.2 | 78.6,139 79.62,139 C224.2 C225.2
VDDC3
  Bottom 0.2: 205.8,139 IC56.115 207.6,139 | 201.6,146.8 IC56.87 201.6,148.6
  Bottom 0.25: 205.8,139 204.6,139 arc-90 201.6,142 201.6,146.8 | 201.6,148.6 201.6,148.65 C334.2 | 207.6,139 208.62,139 C332.2 C333.2
VDDC4
  Bottom 0.2: 76.8,220 IC74.115 78.6,220 | 72.6,227.8 IC74.87 72.6,229.6
  Bottom 0.25: 76.8,220 75.6,220 arc-90 72.6,223 72.6,227.8 | 72.6,229.6 72.6,229.65 C442.2 | 78.6,220 79.62,220 C440.2 C441.2
VDDC5
  Bottom 0.2: 205.8,220 IC92.115 207.6,220 | 201.6,227.8 IC92.87 201.6,229.6
  Bottom 0.25: 205.8,220 204.6,220 arc-90 201.6,223 201.6,227.8 | 201.6,229.6 201.6,229.65 C550.2 | 207.6,220 208.62,220 C548.2 C549.2
VDDC6
  Bottom 0.2: 76.8,301 IC110.115 78.6,301 | 72.6,308.8 IC110.87 72.6,310.6
  Bottom 0.25: 76.8,301 75.6,301 arc-90 72.6,304 72.6,308.8 | 72.6,310.6 72.6,310.65 C658.2 | 78.6,301 79.62,301 C656.2 C657.2
VDDC7
  Bottom 0.2: 205.8,301 IC128.115 207.6,301 | 201.6,308.8 IC128.87 201.6,310.6
  Bottom 0.25: 205.8,301 204.6,301 arc-90 201.6,304 201.6,308.8 | 201.6,310.6 201.6,310.65 C766.2 | 207.6,301 208.62,301 C764.2 C765.2
WFIF_ANT_L
  Bottom 0.4: L6.2 C77.2 12.3,28.8 ANT1.1
WFIF_ANT_L1
  Bottom 0.4: L15.2 C178.2 141.3,28.8 ANT3.1
WFIF_ANT_L2
  Bottom 0.4: L24.2 C286.2 12.3,109.8 ANT5.1
WFIF_ANT_L3
  Bottom 0.4: L33.2 C394.2 141.3,109.8 ANT7.1
WFIF_ANT_L4
  Bottom 0.4: L42.2 C502.2 12.3,190.8 ANT9.1
WFIF_ANT_L5
  Bottom 0.4: L51.2 C610.2 141.3,190.8 ANT11.1
WFIF_ANT_L6
  Bottom 0.4: L60.2 C718.2 12.3,271.8 ANT13.1
WFIF_ANT_L7
  Bottom 0.4: L69.2 C826.2 141.3,271.8 ANT15.1
WIFI_ANT
  Bottom 0.35: FL1.OUT 20.45,31.75
  Bottom 0.4: L6.1 C76.2 16.09,29 arc45 16.79,29.29 17.44,29.94 arc45 17.5,30.09 arc-45 17.79,30.79 18.46,31.46 arc-45 19.16,31.75 20.45,31.75
WIFI_ANT1
  Bottom 0.35: FL2.OUT 149.45,31.75
  Bottom 0.4: L15.1 C177.2 145.09,29 arc45 145.79,29.29 146.44,29.94 arc45 146.5,30.09 arc-45 146.79,30.79 147.46,31.46 arc-45 148.16,31.75 149.45,31.75
WIFI_ANT2
  Bottom 0.35: FL3.OUT 20.45,112.75
  Bottom 0.4: L24.1 C285.2 16.09,110 arc45 16.79,110.29 17.44,110.94 arc45 17.5,111.09 arc-45 17.79,111.79 18.46,112.46 arc-45 19.16,112.75 20.45,112.75
WIFI_ANT3
  Bottom 0.35: FL4.OUT 149.45,112.75
  Bottom 0.4: L33.1 C393.2 145.09,110 arc45 145.79,110.29 146.44,110.94 arc45 146.5,111.09 arc-45 146.79,111.79 147.46,112.46 arc-45 148.16,112.75 149.45,112.75
WIFI_ANT4
  Bottom 0.35: FL5.OUT 20.45,193.75
  Bottom 0.4: L42.1 C501.2 16.09,191 arc45 16.79,191.29 17.44,191.94 arc45 17.5,192.09 arc-45 17.79,192.79 18.46,193.46 arc-45 19.16,193.75 20.45,193.75
WIFI_ANT5
  Bottom 0.35: FL6.OUT 149.45,193.75
  Bottom 0.4: L51.1 C609.2 145.09,191 arc45 145.79,191.29 146.44,191.94 arc45 146.5,192.09 arc-45 146.79,192.79 147.46,193.46 arc-45 148.16,193.75 149.45,193.75
WIFI_ANT6
  Bottom 0.35: FL7.OUT 20.45,274.75
  Bottom 0.4: L60.1 C717.2 16.09,272 arc45 16.79,272.29 17.44,272.94 arc45 17.5,273.09 arc-45 17.79,273.79 18.46,274.46 arc-45 19.16,274.75 20.45,274.75
WIFI_ANT7
  Bottom 0.35: FL8.OUT 149.45,274.75
  Bottom 0.4: L69.1 C825.2 145.09,272 arc45 145.79,272.29 146.44,272.94 arc45 146.5,273.09 arc-45 146.79,273.79 147.46,274.46 arc-45 148.16,274.75 149.45,274.75
WIFI_ANT_F
  Bottom 0.2: IC15.31 22.65,31.75
  Bottom 0.35: FL1.IN 21.52,31.75
  Bottom 0.4: 22.65,31.75 21.52,31.75
WIFI_ANT_F1
  Bottom 0.2: IC29.31 151.65,31.75
  Bottom 0.35: FL2.IN 150.53,31.75
  Bottom 0.4: 151.65,31.75 150.53,31.75
WIFI_ANT_F2
  Bottom 0.2: IC47.31 22.65,112.75
  Bottom 0.35: FL3.IN 21.52,112.75
  Bottom 0.4: 22.65,112.75 21.52,112.75
WIFI_ANT_F3
  Bottom 0.2: IC65.31 151.65,112.75
  Bottom 0.35: FL4.IN 150.53,112.75
  Bottom 0.4: 151.65,112.75 150.53,112.75
WIFI_ANT_F4
  Bottom 0.2: IC83.31 22.65,193.75
  Bottom 0.35: FL5.IN 21.52,193.75
  Bottom 0.4: 22.65,193.75 21.52,193.75
WIFI_ANT_F5
  Bottom 0.2: IC101.31 151.65,193.75
  Bottom 0.35: FL6.IN 150.53,193.75
  Bottom 0.4: 151.65,193.75 150.53,193.75
WIFI_ANT_F6
  Bottom 0.2: IC119.31 22.65,274.75
  Bottom 0.35: FL7.IN 21.52,274.75
  Bottom 0.4: 22.65,274.75 21.52,274.75
WIFI_ANT_F7
  Bottom 0.2: IC137.31 151.65,274.75
  Bottom 0.35: FL8.IN 150.53,274.75
  Bottom 0.4: 151.65,274.75 150.53,274.75
WS2812_OUT
  Top 0.3: LED2.2 78.14,82.29 arc-45 77.44,82 75.41,82 arc-45 74.71,82.29 74.29,82.71 arc45 73.59,83 arc-45 73.12,83.19 JP2.3
WS2812_OUT1
  Top 0.3: LED8.2 207.14,82.29 arc-45 206.44,82 204.41,82 arc-45 203.71,82.29 203.29,82.71 arc45 202.59,83 arc-45 202.12,83.19 JP11.3
WS2812_OUT2
  Top 0.3: LED14.2 78.14,163.29 arc-45 77.44,163 75.41,163 arc-45 74.71,163.29 74.29,163.71 arc45 73.59,164 arc-45 73.12,164.19 JP20.3
WS2812_OUT3
  Top 0.3: LED20.2 207.14,163.29 arc-45 206.44,163 204.41,163 arc-45 203.71,163.29 203.29,163.71 arc45 202.59,164 arc-45 202.12,164.19 JP29.3
WS2812_OUT4
  Top 0.3: LED26.2 78.14,244.29 arc-45 77.44,244 75.41,244 arc-45 74.71,244.29 74.29,244.71 arc45 73.59,245 arc-45 73.12,245.19 JP38.3
WS2812_OUT5
  Top 0.3: LED32.2 207.14,244.29 arc-45 206.44,244 204.41,244 arc-45 203.71,244.29 203.29,244.71 arc45 202.59,245 arc-45 202.12,245.19 JP47.3
WS2812_OUT6
  Top 0.3: LED38.2 78.14,325.29 arc-45 77.44,325 75.41,325 arc-45 74.71,325.29 74.29,325.71 arc45 73.59,326 arc-45 73.12,326.19 JP56.3
WS2812_OUT7
  Top 0.3: LED44.2 207.14,325.29 arc-45 206.44,325 204.41,325 arc-45 203.71,325.29 203.29,325.71 arc45 202.59,326 arc-45 202.12,326.19 JP65.3
WS28212_1
  Top 0.3: LED2.4 73.99,81.96 arc45 73.29,82.25 65.95,82.25 arc-90 64.95,83.25 LED1.2
WS28212_2
  Top 0.3: LED8.4 202.99,81.96 arc45 202.29,82.25 194.95,82.25 arc-90 193.95,83.25 LED7.2
WS28212_3
  Top 0.3: LED14.4 73.99,162.96 arc45 73.29,163.25 65.95,163.25 arc-90 64.95,164.25 LED13.2
WS28212_4
  Top 0.3: LED20.4 202.99,162.96 arc45 202.29,163.25 194.95,163.25 arc-90 193.95,164.25 LED19.2
WS28212_5
  Top 0.3: LED26.4 73.99,243.96 arc45 73.29,244.25 65.95,244.25 arc-90 64.95,245.25 LED25.2
WS28212_6
  Top 0.3: LED32.4 202.99,243.96 arc45 202.29,244.25 194.95,244.25 arc-90 193.95,245.25 LED31.2
WS28212_7
  Top 0.3: LED38.4 73.99,324.96 arc45 73.29,325.25 65.95,325.25 arc-90 64.95,326.25 LED37.2
WS28212_8
  Top 0.3: LED44.4 202.99,324.96 arc45 202.29,325.25 194.95,325.25 arc-90 193.95,326.25 LED43.2
XOSC0
  Bottom 0.15: IC1.66 64.2,68.7 C18.2 63.9,69.1 arc90 63.4,69.6 63.35,69.6 arc-90 62.85,70.1 X1.P$1
XOSC1
  Bottom 0.15: IC1.67 64.6,68.7 C19.2 64.9,69.1 arc-90 65.4,69.6 65.45,69.6 arc90 65.95,70.1 X1.P$2
XOSC2
  Bottom 0.15: IC20.66 193.2,68.7 C128.2 192.9,69.1 arc90 192.4,69.6 192.35,69.6 arc-90 191.85,70.1 X5.P$1
XOSC3
  Bottom 0.15: IC20.67 193.6,68.7 C129.2 193.9,69.1 arc-90 194.4,69.6 194.45,69.6 arc90 194.95,70.1 X5.P$2
XOSC4
  Bottom 0.15: IC38.66 64.2,149.7 C236.2 63.9,150.1 arc90 63.4,150.6 63.35,150.6 arc-90 62.85,151.1 X9.P$1
XOSC5
  Bottom 0.15: IC38.67 64.6,149.7 C237.2 64.9,150.1 arc-90 65.4,150.6 65.45,150.6 arc90 65.95,151.1 X9.P$2
XOSC6
  Bottom 0.15: IC56.66 193.2,149.7 C344.2 192.9,150.1 arc90 192.4,150.6 192.35,150.6 arc-90 191.85,151.1 X13.P$1
XOSC7
  Bottom 0.15: IC56.67 193.6,149.7 C345.2 193.9,150.1 arc-90 194.4,150.6 194.45,150.6 arc90 194.95,151.1 X13.P$2
XOSC8
  Bottom 0.15: IC74.66 64.2,230.7 C452.2 63.9,231.1 arc90 63.4,231.6 63.35,231.6 arc-90 62.85,232.1 X17.P$1
XOSC9
  Bottom 0.15: IC74.67 64.6,230.7 C453.2 64.9,231.1 arc-90 65.4,231.6 65.45,231.6 arc90 65.95,232.1 X17.P$2
XOSC10
  Bottom 0.15: IC92.66 193.2,230.7 C560.2 192.9,231.1 arc90 192.4,231.6 192.35,231.6 arc-90 191.85,232.1 X21.P$1
XOSC11
  Bottom 0.15: IC92.67 193.6,230.7 C561.2 193.9,231.1 arc-90 194.4,231.6 194.45,231.6 arc90 194.95,232.1 X21.P$2
XOSC12
  Bottom 0.15: IC110.66 64.2,311.7 C668.2 63.9,312.1 arc90 63.4,312.6 63.35,312.6 arc-90 62.85,313.1 X25.P$1
XOSC13
  Bottom 0.15: IC110.67 64.6,311.7 C669.2 64.9,312.1 arc-90 65.4,312.6 65.45,312.6 arc90 65.95,313.1 X25.P$2
XOSC14
  Bottom 0.15: IC128.66 193.2,311.7 C776.2 192.9,312.1 arc90 192.4,312.6 192.35,312.6 arc-90 191.85,313.1 X29.P$1
XOSC15
  Bottom 0.15: IC128.67 193.6,311.7 C777.2 193.9,312.1 arc-90 194.4,312.6 194.45,312.6 arc90 194.95,313.1 X29.P$2